# Altium PCB 3 motors 1 board.PcbDoc (part 2 of 2)
Units mil, origin at the board's own origin, x right, y up, seen from the top; angles counter-clockwise.
Board outline 3965 x 3335 mil, 4 copper layers (Top Layer, GND, PWR, Bottom Layer), stack 37.817 mil thick; 72 components, 77 nets, 310 pads, 117 vias.
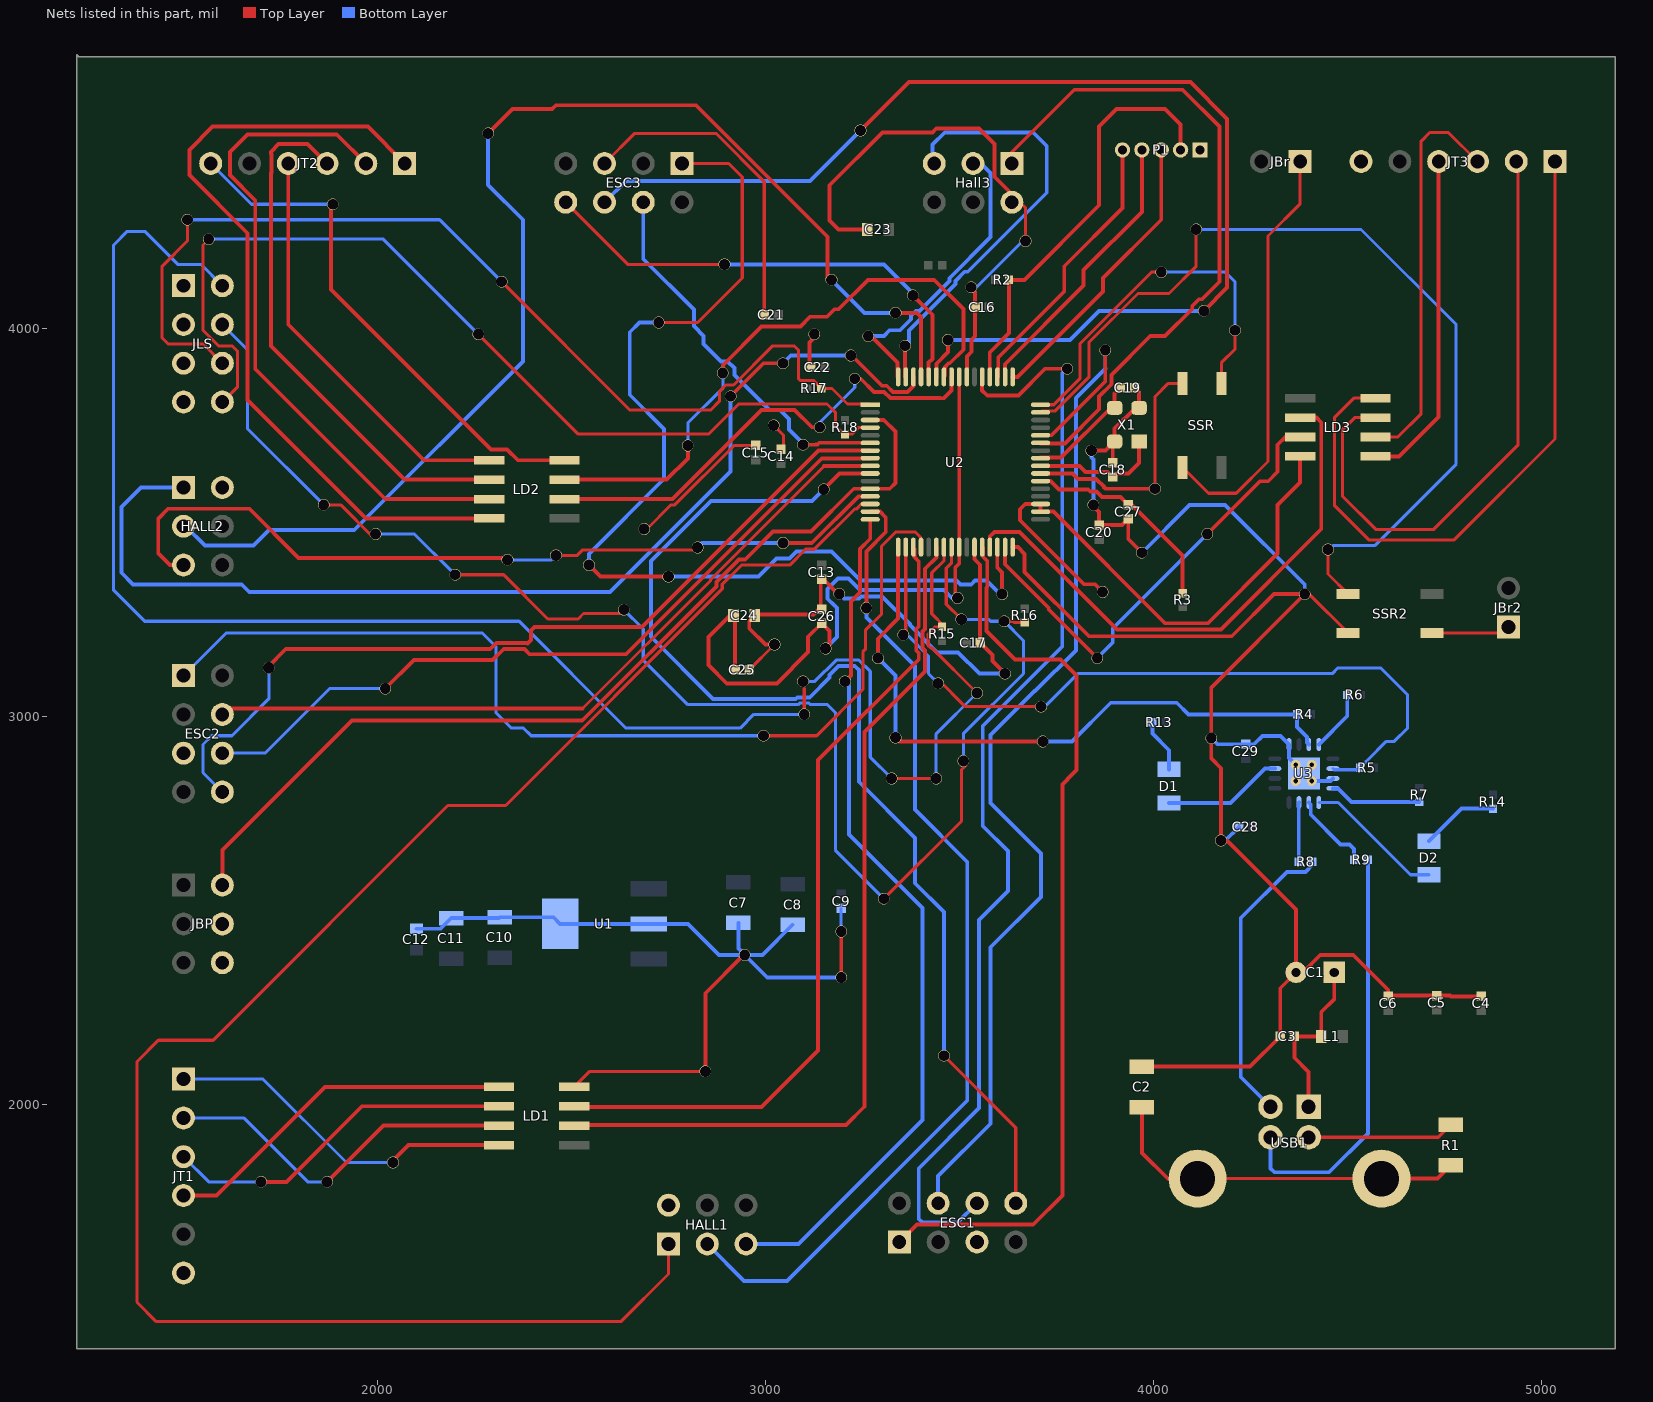
[diagram p4: the nets of this part, all layers, seen from the top]

## Via types
v1: diameter 30, hole 28, Top Layer to Bottom Layer, 115 vias
v2: diameter 50, hole 28, Top Layer to Bottom Layer, 1 vias
v3: diameter 30, hole 30, Top Layer to Bottom Layer, 1 vias

## Nets (pads, with @x,y where several pads share a name; then routed paths per layer and width w, separated by ;. In a path a pad name is that pad's centre, name@x,y a point inside that pad or via, vN(x,y) a via of type N, cw(c..) or ccw(c..) an arc to the next point about the centre after c; other vN are vias at no path point) (continued)
CF1M1: ESC1.4 U2.44 | length 2791.8
  Top Layer w10: U2.44@3708.98,3724.41 3737.56,3724.41 3875.8,3862.65 v1(3875.8,3943.81)
  Bottom Layer w10: ESC1.4@3445,1745 3445,1815 3580,1950 3580,2404.71 3710,2534.71 3710,2646.13 3580,2776.13 3580,2951.57 3693.43,3065 3695,3065 3800,3170 3800,3820 3876.61,3896.61 3875.8,3897.43 v1(3875.8,3943.81)
CF1M2: ESC2.4 U2.9 | length 1936.6
  Top Layer w8: 2528.43,3020 2858.66,3350.23 2858.66,3352.8 3150.86,3645
  Top Layer w10: ESC2.4@1600,3005 1615,3020 2528.43,3020 ; 3150.86,3645 U2.9@3270,3645
CF1M3: ESC3.4 U2.6 | length 997.3
  Top Layer w10: v1(3096.68,3700) 3128.74,3700 3129.74,3701 3134.45,3701 3138.53,3705.09 U2.6@3270,3705.09
  Bottom Layer w10: ESC3.4@2685,4325 2685,4178.56 2815.25,4048.32 2815.25,4005.63 2840.53,3980.35 2840.53,3959.47 2885,3915 2902.43,3915 2920,3897.43 2920,3879.97 3009.97,3790 3037.6,3790 3061.03,3766.57 3061.03,3738.97 3096.68,3703.32 v1(3096.68,3700)
CF2M1: ESC1.6 U2.53 | length 2850.8
  Top Layer w10: U2.53@3558.39,3875 3558.39,3840.04 3571.57,3826.85 3651.85,3826.85 3720.86,3895.86 v1(3777.65,3895.86)
  Bottom Layer w10: ESC1.6@3545,1745 3495,1695 3404.39,1695 3395,1704.39 3395,1835 3550,1990 3550,2474.71 3625,2549.71 3625,2572.98 3624.77,2573.21 3624.77,2606.79 3625,2607.02 3625,2652.72 3560,2717.72 3560,2975 3765,3180 3765,3885
CF2M2: ESC2.6 U2.8 | length 1996
  Top Layer w10: v1(2019.87,3071.34) 2093.53,3145 2296.81,3145 2325.28,3173.47 2378.41,3173.47 2391.89,3160 2640,3160 3145,3665 U2.8@3270,3665
  Bottom Layer w8: ESC2.6@1600,2905 1710,2905 1876.34,3071.34 v1(2019.87,3071.34)
CF2M3: ESC3.6 U2.59 | length 3081
  Top Layer w10: v1(3245,4510) 3370,4635 4095,4635 4190,4540 4190,4105 v1(4130,4045) ; U2.59@3440.28,3875 3440.28,3908.91 3470,3938.63 v1(3470,3970)
  Bottom Layer w10: ESC3.6@2585,4325 2640,4380 3115,4380 v1(3245,4510) ; v1@3480,3970 3785,3970 3860,4045 v1(4130,4045)
CF3M1: ESC1.8 U2.10 | length 3040.8
  Top Layer w8: v1(3460,2125) 3645,1940 ESC1.8@3645,1745
  Top Layer w10: v1(3150,3585) 3190.98,3625.98 U2.10@3270,3625.98
  Bottom Layer w10: v1(3150,3585) 3120,3555 2860,3555 2705,3400 2705,3205 2865,3045 3077.77,3045 3081.77,3049 3114,3049 3165,3100 3165,3106.57 3188.43,3130 3230,3130 3240.84,3119.16 3240.84,2831.37 3385.47,2686.73 3385.47,2569.82 3460,2495.29 v1(3460,2125)
CF3M2: ESC2.8 U2.7 | length 2241.3
  Top Layer w10: v3@1717.5,3127.5 1763.47,3173.47 2290.49,3173.47 2306.49,3189.47 2385.04,3189.47 2386.78,3187.73 2395.53,3196.48 2395.53,3221.34 2404.18,3230 2681.37,3230 3136.37,3685 3175,3685 ; 3175.04,3685.04 U2.7@3270,3685.04
  Bottom Layer w8: ESC2.8@1600,2805 1550,2855 1550,2927.47 1572.53,2950 1625,2950 1720,3045 v3(1720,3125)
CF3M3: ESC3.8 U2.60 | length 1212.8
  Top Layer w8: ESC3.8@2485,4325 2645,4165 v1(2894.2,4165)
  Top Layer w10: v1(3380,4085) 3430,4035 3430,3921.26 3420.59,3911.85 U2.60@3420.59,3875
  Bottom Layer w10: v1(2894.2,4165) 3305,4165 3370,4100
CLK1_A: JT1.3 LD1.6 | length 920.7
  Top Layer w10: v1(1700,1800) 1765,1800 1960,1995 LD1.6@2313,1995
  Bottom Layer w8: JT1.3@1500,1865 1565,1800 v1(1700,1800)
CLK1_B: JT2.3 LD2.6 | length 1381.2
  Top Layer w10: JT2.3@1870,4425 1820,4475 1745,4475 1725,4455 1725,4449.94 1726.53,4448.41 1726.53,4401.59 1725,4400.06 1725,3955 2070,3610 LD2.6@2288,3610
CLK1_C: JT3.3 LD3.6 | length 1030.8
  Top Layer w8: LD3.6@4572,3720 4630,3720 4690,3780 4690,4482.57 4712.43,4505 4760,4505 JT3.3@4835,4430
CLK2_A: JT1.4 LD1.5 | length 929
  Top Layer w10: JT1.4@1500,1765 1585,1765 1865,2045 LD1.5@2313,2045
CLK2_B: JT2.4 LD2.5 | length 1073
  Top Layer w10: JT2.4@1770,4420 1770,4010 2120,3660 LD2.5@2288,3660
CLK2_C: JT3.4 LD3.5 | length 866.6
  Top Layer w10: LD3.5@4572,3670 4633.04,3670 4735,3771.96 4735,4405 JT3.4@4755,4425
CLK_A: LD1.3 U2.19 | length 2108.2
  Top Layer w10: LD1.3@2507,2000 2514.17,1992.83 2989.46,1992.83 3135.81,2139.19 3135.81,2887.53 3395,3146.72 3395,3162.92 3388.45,3169.47 3388.45,3225.09 3395,3231.64 3395,3399.32 3384,3410.32 3384,3432.02 U2.19@3380,3436.02
CLK_B: LD2.3 U2.58 | length 1542.5
  Top Layer w10: LD2.3@2482,3610 2745,3610 2800,3665 2800,3682.26 ; v1(2890,3885) 2890,3905 2990,4005 3090,4005 3115,4030 3158.1,4030 3177.42,4049.32 3188.64,4049.32 3264.32,4125 3435,4125 3510,4050 3510,3945 3475,3910 3470.98,3910 3470.98,3908.95 3462.74,3900.7 3462.74,3877.78 U2.58@3459.96,3875
  Bottom Layer w8: v1(2800,3698.11) 2800,3756.01 2890,3846.01 v1(2890,3885)
CLK_C: LD3.3 U2.31 | length 1212.8
  Top Layer w10: U2.31@3617.44,3436.02 3617.44,3391.89 3730,3279.33 3730,3275 v1(3855,3150) ; v1(4138.5,3470) 4274.5,3606 4295.71,3606 4320,3630.29 4320,3700 4340,3720 LD3.3@4378,3720
  Bottom Layer w8: v1@3850,3145 v1(3855,3150)
  Bottom Layer w10: v1(3855,3150) 3895,3190 3895,3226.5 v1(4138.5,3470)
DATA1_A: JT1.1 LD1.8 | length 918.6
  Top Layer w10: v1@2040,1855 2080,1895 LD1.8@2313,1895
  Bottom Layer w8: JT1.1@1500,2065 1705,2065 1920,1850 v1(2040,1850)
DATA1_B: JT2.1 LD2.8 | length 2075.7
  Top Layer w10: JT2.1@2070,4425 1975,4520 1575,4520 1515,4460 1515,4395 1665,4245 1665,3815 1970,3510 LD2.8@2288,3510
DATA1_C: JT3.1 LD3.8 | length 1780.9
  Top Layer w8: LD3.8@4572,3820 4516.54,3820 4466.1,3769.57 4466.1,3543.9 4555,3455 4775,3455 5035,3715 JT3.1@5035,4430
DATA2_A: JT1.2 LD1.7 | length 927.3
  Top Layer w10: v1@1880,1810 2015,1945 LD1.7@2313,1945
  Bottom Layer w8: JT1.2@1500,1965 1655,1965 1820,1800 v1(1870,1800)
DATA2_B: JT2.2 LD2.7 | length 1728.4
  Top Layer w10: JT2.2@1970,4425 1895,4500 1745,4500 1665,4500 1620,4455 1620,4395 1685,4330 1685,3895 2020,3560 LD2.7@2288,3560
DATA2_C: JT3.2 LD3.7 | length 1563.1
  Top Layer w8: LD3.7@4572,3770 4518.71,3770 4487.01,3738.3 4487.01,3567.99 4573.9,3481.1 4721.1,3481.1 4940,3700 JT3.2@4940,4415
DATA_A: LD1.2 U2.22 | length 2291.7
  Top Layer w10: LD1.2@2507,1947.17 3207.83,1947.17 3254.41,1993.74 3255,1993.74 3255,2960 3411,3116 3411,3169.55 3404.45,3176.1 3404.45,3218.47 3411,3225.02 3411,3380.45 3440.28,3409.72 U2.22@3440.28,3436.02
DATA_B: LD2.2 U2.57 | length 1247.9
  Top Layer w10: LD2.2@2482,3560 2760,3560 2990,3790 3075,3790 3120,3745 v1(3140,3745) ; v1(3230,3870) 3245.46,3870 3279.4,3836.06 3305.79,3836.06 3321.81,3820.04 3450.04,3820.04 3450,3820 3459.65,3820 3479.65,3840 U2.57@3479.65,3875
  Bottom Layer w8: v1(3140,3745) 3140,3757.48 3230,3847.48 v1(3230,3870)
DATA_C: LD3.2 U2.29 | length 1432.1
  Top Layer w10: U2.29@3578.07,3436.02 3578.07,3463.07 3590,3475 3655,3475 3905,3225 3906,3224 4174,3224 4432.44,3482.44 4432.44,3757.56 4420,3770 LD3.2@4378,3770
DM: R8.1 USB1.2 | length 767.4
  Bottom Layer w10: USB1.2@4301.57,1993.74 4225,2070.32 4225,2480 4344.17,2599.17 4391.61,2599.17 4410,2617.57 R8.1@4410,2625
DP: R9.1 USB1.3 | length 1081.6
  Bottom Layer w10: USB1.3@4301.57,1915 4301.57,1835 4311.57,1825 4452.59,1825 4552.72,1925.12 R9.1@4552.72,2630
GND: C1.2 C2.1 C3.1 C4.1 C5.1 C6.1 C7.2 C8.2 C9.1 C10.2 C11.2 C12.2 C13.1 C14.1 C15.1 C16.1 C17.1 C18.1 C19.1 C20.1 C21.1 C22.1 C23.1 C24.1 C25.1 C26.1 C27.1 C28.1 C29.1 ESC1.5 ESC2.5 ESC3.5 HALL1.2 HALL2.2 Hall3.2 JBP.2 JBP.4 JBP.6 JLS.1 JLS.3 JLS.5 JLS.7 JT1.6 JT2.6 JT3.6 LD1.4 LD2.4 LD3.4 P1.1 R1.1 SSR2.2 SSR.2 U1.2 U1.4 U2.3 U2.12 U2.27 U2.32 U2.34 U2.35 U2.39 U2.55 U3.3 U3.13 U3.17 USB1.4 X1.2 X1.4 | length 17782.6
  Top Layer w8: LD1.4@2507,2045 2547,2085 v1(2845,2085) ; ESC3.5@2585,4425 2662.57,4502.57 2872.43,4502.57 2996.89,4378.11 C21.1@2996.89,4035 ; v1(2687.27,3482.88) 2694.53,3482.88 2756.65,3545 2766.21,3545 2919.32,3698.11 C15.1@2975,3698.11 ; C25.1@2958.11,3120 v1(3023.11,3185) ; C24.1@2972.56,3260 C24.1@2972.56,3262.2 ; v1(3021.03,3750) 3046.56,3724.47 3046.56,3694.67 C14.1@3040,3688.11 ; v1@3125.84,3975.89 v1(3125.84,3985) ; C13.1@3142.28,3350.12 C13.1@3152.76,3350.12 ; v1@3187.38,3315.5 v1(3190.25,3315.5) ; v1(3195.25,2327.06) v1(3195.25,2445.46) ; v1(3530,4105.86) 3530,4104.21 3540.28,4093.93 ; C16.1@3540,4054.72 C16.1@3540.28,4055 ; Hall3.2@3630.87,4350 3670,4310.87 v1(3670,4225) ; U2.34@3708.98,3527.56 U2.34@3709.95,3526.59 ; C18.1@3895,3653.11 3895,3703.39 X1.4@3900,3708.39 ; v1(4004.1,3586.61) 4004.1,3824.1 4038.27,3858.27 SSR.2@4075,3858.27 ; v1(4174.03,2680) 4190,2680 ; v1(4390,3315) 4401.73,3315 SSR2.2@4501.73,3215 ; USB1.4@4400,1915 4734.06,1915 R1.1@4766.22,1947.17 ; C6.1@4605,2278.11 C6.1@4606.89,2280
  Top Layer w10: JBP.2@1600,2565 1600,2655 1934.47,2989.47 2526.98,2989.47 2528.34,2990.84 ; v1@1880,4320 1880,4100 2292.31,3687.69 2333.99,3687.69 2361.68,3660 LD2.4@2482,3660 ; 2529.05,2990.13 2873.66,3334.74 2873.66,3346.59 2931.76,3404.69 2947.88,3404.69 3019.19,3476 3031.92,3476 3032.57,3476.65 3057.43,3476.65 3058.08,3476 3116.81,3476 3227.43,3586.61 U2.12@3270,3586.61 3320.27,3586.61 3335,3601.34 3335,3733.7 3304.92,3763.78 U2.3@3270,3763.78 ; v1(2845,2085) 2845,2286.34 v1@2941.83,2383.17 ; C24.1@2972.56,3260 2958.11,3245.55 2958.11,3226.89 3000,3185 v1(3023.11,3185) ; C24.1@2972.56,3262.2 3123.33,3262.2 3142.28,3281.15 C13.1@3142.28,3350.12 ; C22.1@3113.78,3900 3113.78,3963.83 v1@3125.84,3975.89 ; C13.1@3152.76,3350.12 v1@3187.38,3315.5 ; C23.1@3262.44,4255 3188.43,4255 3165,4278.43 3165,4368.75 3301.25,4505 3430,4505 3440,4515 3550,4515 3590,4475 3590,4390.87 Hall3.2@3630.87,4350 ; U2.55@3519.02,3875 3519.02,3927.94 3530.87,3939.79 3530.87,3970.67 3540,3979.8 C16.1@3540,4054.72 ; U2.27@3538.7,3436.02 3538.7,3405 3553.11,3390.59 C17.1@3553.11,3190 3584.88,3158.23 3584.88,3142.59 v1(3617.47,3110) ; C16.1@3540.28,4055 3540.28,4093.93 ; U2.32@3637.13,3436.02 3650.53,3436.02 3667.85,3418.71 3667.85,3372.22 3833.55,3206.52 4201.86,3206.52 4310.34,3315 v1(4390,3315) 4149.07,3074.07 v1(4149.07,2943.89) 4149.07,2891.08 4174,2866.15 v1(4174.03,2680) ; U2.39@3708.98,3625.98 3791.54,3625.98 3805.42,3612.1 3851.89,3612.1 3873.38,3590.61 ; v1(3840,3685) 3876.61,3685 X1.4@3895,3703.39 ; v1@3849.19,3537.4 3860,3526.59 C20.1@3860,3493.11 3919.33,3493.11 C27.1@3935,3508.78 3935,3456.69 v1(3970,3421.69) ; v1(3869.02,3320.5) 3849.14,3340.38 3821.2,3340.38 3656.18,3505.39 3656.18,3533.9 3669.53,3547.24 U2.35@3708.98,3547.24 U2.34@3708.98,3527.56 3742.44,3527.56 4030,3240 4140.15,3240 4319.71,3419.56 4319.71,3544.71 4378,3603 LD3.4@4378,3670 ; 3872.8,3590.03 3876.21,3586.61 v1(4004.1,3586.61) ; X1.4@3900,3708.39 3900,3741.69 3953.31,3795 X1.2@3962.99,3795 3962.99,3835.62 C19.1@3951.22,3847.4 ; C2.1@3970,2097.17 4249.06,2097.17 C3.1@4326.89,2175 4326.89,2299.21 C1.2@4367.68,2340 ; 4190,2680 4367.68,2502.32 C1.2@4367.68,2340 ; C6.1@4605,2278.11 4605,2295 4515,2385 4430,2385 4385,2340 C1.2@4367.68,2340 ; C6.1@4606.89,2280 C5.1@4730,2280 4764.33,2280 4766.22,2278.11 C4.1@4845,2278.11
  Bottom Layer w8: JT2.6@1570,4425 1675,4320 v1(1885,4320) ; C10.2@2312.83,2480 C10.2@2315,2482.17 ; v1(3190.25,3315.5) 3202.19,3303.55 ; C9.1@3195,2505 3195,2455.25 v1@3195.25,2455 ; v1(3530,4105.86) 3543.89,4105.86 v1@3660,4221.98 ; v1@3835,3690 v1(3840,3685) ; v1(4174.03,2680) v1@4185,2680
  Bottom Layer w10: C12.2@2100,2452.56 2162.56,2452.56 C11.2@2190,2480 C10.2@2312.83,2480 ; C10.2@2315,2482.17 2453.66,2482.17 U1.4@2470.83,2465 U1.2@2699.17,2465 2800,2465 2880,2385 v1(2946.61,2385) ; C7.2@2930,2467.83 2930,2401.61 v1(2946.61,2385) ; C8.2@3070,2462.83 2992.17,2385 v1(2946.61,2385) ; v1(3195.25,2327.06) 3004.55,2327.06 v1(2946.61,2385) ; 3202.19,3303.55 3241.79,3303.55 3247.57,3309.33 3300.67,3309.33 3372.43,3237.57 3372.43,3235 3442.43,3165 3496.15,3165 3551.15,3110 v1(3617.47,3110) ; v1(3840,3685) 3840,3666.85 3845,3661.85 v1(3845,3545) ; v1(3970,3421.69) 4093.31,3545 4184.6,3545 4390,3339.6 v1(4390,3315) ; v1(4149.07,2943.89) 4164.86,2928.11 C29.1@4238.11,2928.11 4259.6,2928.11 4281.25,2949.77 4327.11,2949.77 U3.13@4349.4,2927.47 4349.4,2892.21 U3.17@4366.61,2875 ; v1@4185,2680 C28.1@4220,2715 ; U3.17@4408.11,2833.27 4455.99,2833.27 U3.3@4462.59,2839.87
H1M1: HALL1.5 U2.16 | length 2243.7
  Top Layer w10: v1(3205,3090) 3220.29,3105.29 3220.29,3262.47 3220,3262.76 3220,3295.9 3244,3319.9 3244,3431.63 3270,3457.63 U2.16@3270,3506.65
  Bottom Layer w10: HALL1.5@2950,1640 3085,1640 3404.39,1959.39 3404.39,2505.61 3215,2695 3215,3080 v1(3205,3090)
H1M2: HALL2.5 U2.13 | length 2143.5
  Top Layer w8: v1(2460,3415) 2514.85,3415 2528.85,3429 2819,3429 v1(2825,3435)
  Top Layer w10: HALL2.5@1505,3390 1465,3390 1435,3420 1435,3510 1460,3535 1670,3535 1796.45,3408.55 v1@2340.55,3408.55 ; v1(3045,3446.65) 3119.21,3446.65 3239.49,3566.93 U2.13@3270,3566.93
  Bottom Layer w8: v1(2335,3403.36) 2448.36,3403.36 v1(2460,3415)
  Bottom Layer w10: v1(2825,3435) 2836.65,3446.65 v1(3045,3446.65)
H1M3: Hall3.5 U2.63 | length 1082
  Top Layer w10: U2.63@3360,3875 v1(3360,3955)
  Bottom Layer w10: v1@3370,3965 3370,3994.66 3490,4114.66 3490,4122.43 3513.43,4145.86 3521.2,4145.86 3725,4349.66 3725,4470 3690,4505 3461.98,4505 3430.87,4473.89 Hall3.5@3430.87,4450
H2M1: HALL1.3 U2.15 | length 2579.1
  Top Layer w10: v1(3260,3279.33) 3260,3425 3310,3475 3310,3512.5 3294.94,3527.56 U2.15@3270,3527.56
  Bottom Layer w10: HALL1.3@2850,1640 2945,1545 3055,1545 3520,2010 3520,2625 3385.47,2759.53 3385.47,3129.53 3260,3255 v1(3260,3279.33)
H2M2: HALL2.3 U2.61 | length 3288.6
  Top Layer w10: v1(2285,4502.57) 2347.43,4565 2449.85,4565 2459.85,4575 2821.21,4575 3160,4236.21 v1@3160,4130 ; v1(3335,4040) 3390,4040 3400.91,4029.09 U2.61@3400.91,3875
  Bottom Layer w10: HALL2.3@1505,3490 1555,3440 1680,3440 1720,3480 1940,3480 2375,3915 2375,4280 2285,4370 v1(2285,4502.57) ; v1(3170,4125) 3255,4040 v1(3335,4040)
H2M3: Hall3.3 U2.64 | length 805.4
  Top Layer w10: v1(3265,3980) 3271.85,3980 3340,3911.85 U2.64@3340,3875
  Bottom Layer w10: v1(3265,3980) 3305,3980 3320,3995 3346.57,3995 3375,4023.43 3375,4032.75 3387.25,4045 3396.57,4045 3474,4122.43 3474,4129.06 3580,4235.06 3580,4400.87 Hall3.3@3530.87,4450
H3M1: HALL1.1 U2.14 | length 4631.1
  Top Layer w8: HALL1.1@2750,1640 2750,1562.73 2627.27,1440 1430,1440 1380,1490 1380,2110 1435,2165 1576.22,2165 2181.22,2770 2330.13,2770 2888.66,3328.53 2888.66,3340.38 2937.97,3389.69 3062.24,3389.69 3103.21,3430.65 3125.84,3430.65 3229.35,3534.17 3233.85,3534.17 3246.93,3547.24 U2.14@3270,3547.24
H3M2: HALL2.1 U2.62 | length 2852.6
  Top Layer w10: v1(2910,3825) 2995,3910 v1(3045,3910) ; v1(3220,3930) 3222.44,3930 3300.39,3852.06 3312.42,3852.06 3328.43,3836.04 3366.19,3836.04 3381.22,3851.07 U2.62@3381.22,3875
  Bottom Layer w10: HALL2.1@1505,3590 1390,3590 1340,3540 1340,3370 1370,3340 1650,3340 1669.5,3320.5 2599.5,3320.5 2910,3631 v1(2910,3825) ; v1(3045,3910) 3065,3930 v1(3220,3930)
H3M3: Hall3.1 U2.43 | length 1718.1
  Top Layer w10: Hall3.1@3630.87,4450 3795.87,4615 4075,4615 4170,4520 4170,4120 4125,4075 4117.57,4075 4100,4057.43 4100,4050 4030,3980 3991.73,3980 3891.8,3880.06 3891.8,3856.02 3860,3824.23 3860,3791.5 3771.61,3703.11 U2.43@3708.98,3703.11
NetD1_1: D1.1 R13.1 | length 139.4
  Bottom Layer w10: R13.1@3997.28,2985 3997.28,2955.43 4040,2912.72 D1.1@4040,2863.31
NetD2_1: D2.1 R14.1 | length 199.8
  Bottom Layer w10: D2.1@4710,2678.31 4793.98,2762.28 R14.1@4875,2762.28
NetR6_1: R6.1 U3.16 | length 157.9
  Bottom Layer w10: U3.16@4426.18,2927.47 4499.57,3000.86 R6.1@4499.57,3055
NetR7_1: R7.1 U3.4 | length 236.8
  Bottom Layer w10: U3.4@4462.59,2814.28 4475.72,2814.28 4510.43,2779.57 R7.1@4685,2779.57
NetR8_2: R8.2 U3.7 | length 153
  Bottom Layer w10: R8.2@4374.57,2625 4374.57,2777.44 U3.7@4375,2777.87
NetR9_2: R9.2 U3.6 | length 209.6
  Bottom Layer w10: U3.6@4400.59,2777.87 4405.27,2773.18 4405.27,2746.93 4482.2,2670 4505,2670 4517.28,2657.72 R9.2@4517.28,2630
NO1: JLS.2 R15.1 U2.23 | length 4614.8
  Top Layer w8: v1(3100,3005) 3100,3071.34 ; v1(3325,2839.87) v1(3439.87,2839.87) ; R15.1@3455,3230.47 3437.67,3230.47 3419.45,3212.25 3419.45,3182.31 3425.31,3176.46 3428.54,3176.46 v1(3545,3060) ; R15.1@3459.96,3232.72 3428.54,3264.13 3428.54,3369.67 3459.96,3401.09 U2.23@3459.96,3436.02
  Bottom Layer w8: JLS.2@1600,4110 1545,4165 1485,4165 1400,4250 1355,4250 1320,4215 1320,3325 1400,3245 2365,3245 2640.47,2969.53 2934.53,2969.53 2970,3005 v1(3100,3005) ; v1(3096.68,3090) 3127.22,3090 3182.22,3145 3240.84,3145 3270,3115.84 3270,2894.87 v1(3325,2839.87) ; v1(3439.87,2839.87) 3439.87,2954.87 v1(3545,3060)
NO2: JLS.4 R16.1 U2.24 | length 3939.1
  Top Layer w8: v1(1861.34,3545) 1905,3545 v1@1985,3465 ; v1(2200,3365) 2325,3365 2439,3251 2517.01,3251 2531.01,3265 v1@2635,3265 ; v1(3305,2530) 3505,2730 3505,2862.53 v1@3516.24,2873.76 ; U2.24@3479.65,3436.02 3479.65,3395.51 3466,3381.86 3466,3289 v1(3505,3250) ; v1(3615,3245) 3637.68,3245 3640.39,3242.28 R16.1@3667.72,3242.28
  Bottom Layer w8: JLS.4@1600,4010 1665,3945 1665,3741.34 v1(1861.34,3545) ; v1(1995,3470) 2095,3470 v1@2190,3375 ; v1(2635,3275) 2685,3225 2685,3145 2800,3030 3083.99,3030 3087.99,3034 3112.01,3034 3116.01,3030 3160,3030 3180,3010 3180,2655 v1(3305,2530) ; v1(3505,3250) 3575,3250 3580,3245 v1(3615,3245) 3665,3195 3665,3110 3510,2955 v1(3510,2885)
NO3: JLS.6 R17.1 U2.1 | length 2666.7
  Top Layer w8: v1(1510,4280) 1510,4225 1445,4160 1445,3975 1460,3960 1550,3960 JLS.6@1600,3910 ; v1(2320,4120) 2650.8,3789.2 2858.25,3789.2 2881,3811.95 2881,3837.01 2897.99,3854 2917.79,3854 3018.79,3955 3073.54,3955 3085,3943.54 3085,3870 3089.17,3865.83 3123.09,3865.83 3143.55,3845.36 R17.1@3143.55,3845 3171.27,3845 3211.21,3805.06 3268.09,3805.06 U2.1@3270,3803.15
  Bottom Layer w8: v1(1510,4280) 2160,4280 v1(2320,4120)
NO4: JLS.8 R18.1 U2.4 | length 2505
  Top Layer w8: v1(1565,4230) 1550,4215 1550,3995 1590,3955 1625,3955 1639.53,3940.47 1639.53,3849.53 JLS.8@1600,3810 ; v1(2260,3985) 2517.72,3727.28 2853.3,3727.28 2931.01,3805 3158.46,3805 3180.07,3783.4 3180.07,3749.06 3180,3748.99 3201.7,3727.28 R18.1@3205,3727.28 3222.36,3727.28 3239.17,3744.09 U2.4@3270,3744.09
  Bottom Layer w8: v1(1565,4230) 2015,4230 v1(2260,3985)
OSC0: C18.2 U2.40 X1.1 | length 336
  Top Layer w10: U2.40@3708.98,3645.67 3809.33,3645.67 3825.09,3629.91 3881.98,3629.91 C18.2@3895,3616.89 3904.02,3625.91 3935.5,3625.91 3962.99,3653.4 X1.1@3962.99,3708.39
OSC1: C19.2 U2.41 X1.3 | length 302.7
  Top Layer w10: U2.41@3708.98,3666.96 3761.96,3666.96 3890,3795 X1.3@3900,3795 3900,3832.4 C19.2@3915,3847.4
PWM1: ESC1.1 U2.28 | length 2325.4
  Top Layer w10: ESC1.1@3345,1645 3390,1690 3690,1690 3765.29,1765.29 3765.29,2824.13 3778.37,2837.2 3778.37,2838.37 3801.33,2861.33 3801.33,3105.38 3760,3146.72 3643.28,3146.72 3570,3220 3570,3331.57 3571.57,3333.14 3571.57,3399.91 3561.17,3410.32 3561.17,3434.86 U2.28@3560,3436.02
PWM2: ESC2.1 U2.20 | length 2581.7
  Top Layer w8: v1(2995,2950) 3131.85,2950 3251,3069.15 3251,3166.15 3257.44,3172.6 3257.44,3221.62 3299,3263.18 3299,3438.42 3335.58,3475 3385.91,3475 3400.91,3460 U2.20@3400.91,3436.02
  Bottom Layer w8: ESC2.1@1500,3105 1610,3215 2270,3215 2305,3180 2305,3010 2345.47,2969.53 2376.37,2969.53 2395.9,2950 v1@2985,2950
PWM3: ESC3.1 U2.30 | length 2772.2
  Top Layer w8: v1(2725.04,4015) 2825,4015 2940,4130 2940,4390 2905,4425 ESC3.1@2785,4425
  Top Layer w10: v1(2545,3390) 2575,3360 v1(2750,3360) ; U2.30@3597.44,3436.02 3597.44,3383.61 3610,3371.05 v1(3610,3315)
  Bottom Layer w10: v1(2545,3390) 2545,3418.9 2738.51,3612.41 2738.51,3740.32 2650,3828.83 2650,3990 2675,4015 v1@2720,4015 ; v1(2750,3360) 2981.78,3360 3028.43,3406.65 3061.57,3406.65 3079.91,3425 3170,3425 3245,3350 3492.57,3350 3502.57,3340 3530.21,3340 3540.21,3350 3570,3350 v1@3607.5,3312.5
RESET: C27.2 R3.2 U2.38 | length 542.2
  Top Layer w10: U2.38@3708.98,3606.3 3734.84,3606.3 3756.14,3585 3832.03,3585 3837.35,3579.68 3852.74,3579.68 3867.43,3565 3915,3565 C27.2@3935,3545 3944.4,3545 4075,3414.4 R3.2@4075,3317.72
SHIELD: C2.2 R1.2 USB1.5 USB1.6 | length 956
  Top Layer w8: USB1.6@4113.78,1808.31 USB1.5@4587.8,1808.31
  Top Layer w10: C2.2@3970,1992.83 3970,1875 4036.69,1808.31 USB1.6@4113.78,1808.31 ; USB1.5@4587.8,1808.31 4731.69,1808.31 R1.2@4766.22,1842.83
SSRIn: SSR.1 U2.48 | length 971.9
  Top Layer w8: U2.48@3708.98,3803.15 3743.15,3803.15 3811,3871 3811,3961 3995,4145 v1(4020,4145) ; SSR.1@4175,3858.27 4175,3911 4210,3946 v1(4210,3995)
  Bottom Layer w8: v1(4020,4145) 4185,4145 4210,4120 v1@4210,4005
SSRIn2: SSR2.1 U2.47 | length 2366.9
  Top Layer w8: U2.47@3708.98,3783.46 3712.76,3787.24 3747.04,3787.24 3833.55,3873.75 3833.55,3963.55 3960,4090 4040,4090 4110,4160 v1@4110,4245 ; v1(4450,3430) 4450,3366.73 SSR2.1@4501.73,3315
  Bottom Layer w8: v1(4110,4255) 4535,4255 4780,4010 4780,3650 4570,3440 4462.59,3440
SSROut: JBr.1 SSR.3 | length 1088.8
  Top Layer w8: SSR.3@4075,3641.73 4141.73,3575 4213.11,3575 4295,3656.89 4295,4238.19 4378,4321.19 4378,4413.61 JBr.1@4366.61,4425
SSROut2: JBr2.1 SSR2.3 | length 203.1
  Top Layer w8: SSR2.3@4718.27,3215 4899.53,3215 JBr2.1@4915,3230.47
TCK: P1.2 R2.2 U2.52 | length 1090.8
  Top Layer w10: U2.52@3578.07,3879.65 3578.07,3938.07 3627.72,3987.72 R2.2@3627.72,4125 3667.72,4125 3860,4317.28 3860,4520 3905,4565 4030,4565 4070,4525 P1.2@4070,4460
TDI: P1.4 U2.50 | length 731
  Top Layer w10: U2.50@3617.44,3875 3617.44,3907.44 3820,4110 3820,4150 3970,4300 P1.4@3970,4460
TDO: P1.3 U2.49 | length 751.1
  Top Layer w10: U2.49@3637.13,3875 3650,3875 3870,4095 3870,4130 4020,4280 P1.3@4020,4460
TMS: P1.5 U2.51 | length 717.5
  Top Layer w10: U2.51@3600,3875 3600,3925 3770,4095 3770,4160 3920,4310 P1.5@3920,4460
"USB RX LED": D2.2 U3.5 | length 360.9
  Bottom Layer w8: U3.5@4426.18,2777.87 4476.11,2777.87 4662.28,2591.69 D2.2@4710,2591.69
"USB TX LED": D1.2 U3.11 | length 309.8
  Bottom Layer w10: D1.2@4040,2776.69 4199.02,2776.69 4287.8,2865.46 U3.11@4312.99,2865.46
USB_RX: R4.1 U2.17 U3.15 | length 1695.4
  Top Layer w10: v1(3290,3150) 3290,3200 3341.85,3251.85 U2.17@3341.85,3436.02 ; v1@3345,2935 v1(3715,2935)
  Bottom Layer w10: v1(3290,3150) 3335,3105 v1(3335,2945) ; v1@3720,2935 3790,2935 3890,3035 4060,3035 4090,3005 R4.1@4370.39,3005 4370.39,2972.47 4395.9,2946.96 4395.9,2932.16 U3.15@4400.59,2927.47
USB_TX: R5.1 U2.18 U3.2 | length 2029.8
  Top Layer w8: v1(3355,3210) 3361.54,3216.54 U2.18@3361.54,3436.02 ; v1@3445,3095 3515,3025 v1(3710,3025)
  Bottom Layer w8: v1(3355,3210) 3365,3210 3420,3155 3420,3110 v1(3445,3085) ; v1(3710,3025) 3720,3025 3805,3110 4460.78,3110 4475.78,3125 4585,3125 4655,3055 4655,2970 4620.49,2935.49 4600.12,2935.49 4553.11,2888.48 4552.75,2888.48 4546.89,2882.62 4546.89,2882.26 R5.1@4532.28,2867.65 4526.92,2862.28 4465.77,2862.28 U3.2@4462.59,2865.46
VBUS: C1.1 C3.2 L1.1 USB1.1 | length 444.8
  Top Layer w10: USB1.1@4400,1993.74 4400,2083.11 4363.11,2120 C3.2@4363.11,2175 L1.1@4432.44,2175 4432.44,2237.44 4466.1,2271.1 C1.1@4466.1,2340
VCORE: C24.2 C25.2 C26.2 U2.25 U2.56 | length 1882.2
  Top Layer w10: C25.2@2921.89,3120 2921.89,3255.55 C24.2@2917.44,3260 2908.19,3260 2852.73,3204.53 2852.73,3132.27 2900,3085 3029.43,3085 3110,3165.57 3110,3205 C26.2@3145,3240 3165,3220 3165,3185 v1(3155,3175) ; v1(3495,3305) 3489.02,3310.98 3489.02,3383.66 3499.33,3393.98 U2.25@3499.33,3436.02 U2.56@3499.33,3875
  Bottom Layer w10: v1(3155,3175) 3184.23,3204.23 3184.23,3279.73 3178.47,3285.5 3177.82,3285.5 3160.25,3303.07 3160.25,3327.93 3187.32,3355 3214.02,3355 3243.69,3325.33 3459.67,3325.33 v1@3480,3305
pads on no net: ESC1.7 ESC2.7 ESC3.7 HALL1.6 HALL2.6 Hall3.6 JBr2.2 JBr.2 U2.5 U2.21 U2.33 U2.36 U2.45 U2.46 U3.12 U3.14

## Polygon pours and split planes (outlines as drawn)
no net on Bottom Layer "Bottom Layer-No Net" (solid, pour order 38): 4085,2655
+5V on PWR "PWR-+5V 1" (solid, pour order 65): 1360,2150.07 1360,1783.55 3105,1808.31 5140,1783.55 5140,4548.55 1640,4548.55 1640,3303.55 2614.13,3303.55 2614.13,4398.55 3540,4398.55 4235,3703.55 4230,3698.55 4652.3,3276.25 4950,2963.55 4950,2488.55 3457.65,2488.55 2614.13,3303.55 1640,3303.55 1640,2430.07
+3.3V on PWR "+3.3V_L03_P058" (solid, pour order 58): 3141.74,3909.15 3224.36,3909.15 3270.96,3909.15 3317.56,3909.15 3860.96,3909.15 4170.96,3601.09 4170.96,3055.75 2920.96,3055.75 2820.96,3155.75 2820.96,3909.15
+A3.3V on PWR "PWR-+A3.3V" (solid, pour order 75): 2966.91,4288.07 2966.91,3938.07 3436.91,3938.07 3436.91,4288.07
+24V on PWR "PWR-+24V" (solid, pour order 71): 1255,2300 1255,1435 1290,1400 3800,1400 3800,1780 3175,1780 2995,1525 1360,1525 1341.49,1543.51 1341.49,2186.49 1455,2300
+24V on PWR "PWR-+24V 1" (solid, pour order 69): 1255,2300 1476.75,2300 1620,2443.25 1620,3130 1540,3210 1535,3205 1255,3205
+3.3V on PWR "+3.3V_L03_P060" (solid, pour order 60): 2960.25,3040 3485.25,2515 4930,2515 4930,2855 4200,3585 4200,3040
GND on GND (split plane): 5169.9,1390.1 1245.1,1390.1 1245.1,4679.9 5169.9,4679.9

## Text inside footprints (layer, text, board x,y; h text height)
C1: Top Overlay "+" at 4515.35,2401.54 h70
ESC1: Top Overlay "8" at 3705,1725 h50; Top Overlay "7" at 3705,1625 h50; Top Overlay "1" at 3265,1625 h50; Top Overlay "2" at 3265,1725 h50
ESC2: Top Overlay "8" at 1580,2745 h50 r270; Top Overlay "7" at 1480,2745 h50 r270; Top Overlay "1" at 1480,3185 h50 r270; Top Overlay "2" at 1580,3185 h50 r270
ESC3: Top Overlay "8" at 2425,4345 h50 r180; Top Overlay "7" at 2425,4445 h50 r180; Top Overlay "1" at 2865,4445 h50 r180; Top Overlay "2" at 2865,4345 h50 r180
HALL1: Top Overlay "2" at 2670,1720 h50; Top Overlay "1" at 2670,1620 h50; Top Overlay "5" at 3010,1620 h50; Top Overlay "6" at 3010,1720 h50
HALL2: Top Overlay "2" at 1580,3670 h50 r270; Top Overlay "1" at 1480,3670 h50 r270; Top Overlay "5" at 1480,3330 h50 r270; Top Overlay "6" at 1580,3330 h50 r270
Hall3: Top Overlay "2" at 3715,4345 h50 r180; Top Overlay "1" at 3715,4445 h50 r180; Top Overlay "5" at 3375,4445 h50 r180; Top Overlay "6" at 3375,4345 h50 r180
JBP: Top Overlay "2" at 1580,2645 h50 r270; Top Overlay "1" at 1480,2645 h50 r270; Top Overlay "5" at 1480,2305 h50 r270; Top Overlay "6" at 1580,2305 h50 r270
JLS: Top Overlay "8" at 1580,3750 h50 r270; Top Overlay "7" at 1480,3750 h50 r270; Top Overlay "1" at 1480,4190 h50 r270; Top Overlay "2" at 1580,4190 h50 r270
LD1: Top Overlay "*" at 2529.5,1878 h50 r180; Mechanical 13 "*" at 2529.5,1878 h50 r180
LD2: Top Overlay "*" at 2504.5,3493 h50 r180; Mechanical 13 "*" at 2504.5,3493 h50 r180
LD3: Top Overlay "*" at 4355.5,3837 h50; Mechanical 13 "*" at 4355.5,3837 h50